# Altium PCB Even.PcbDoc (part 3 of 3)
Units mm, origin at the board's own origin, x right, y up, seen from the top; angles counter-clockwise.
Board outline 384.85 x 63.15 mm, 4 copper layers (Top Copper, Signal Layer 1, Signal Layer 2, Bottom Copper), stack 1.57 mm thick; 251 components, 190 nets, 820 pads, 278 vias.
Unrouted connection lines stored in the file: 7.
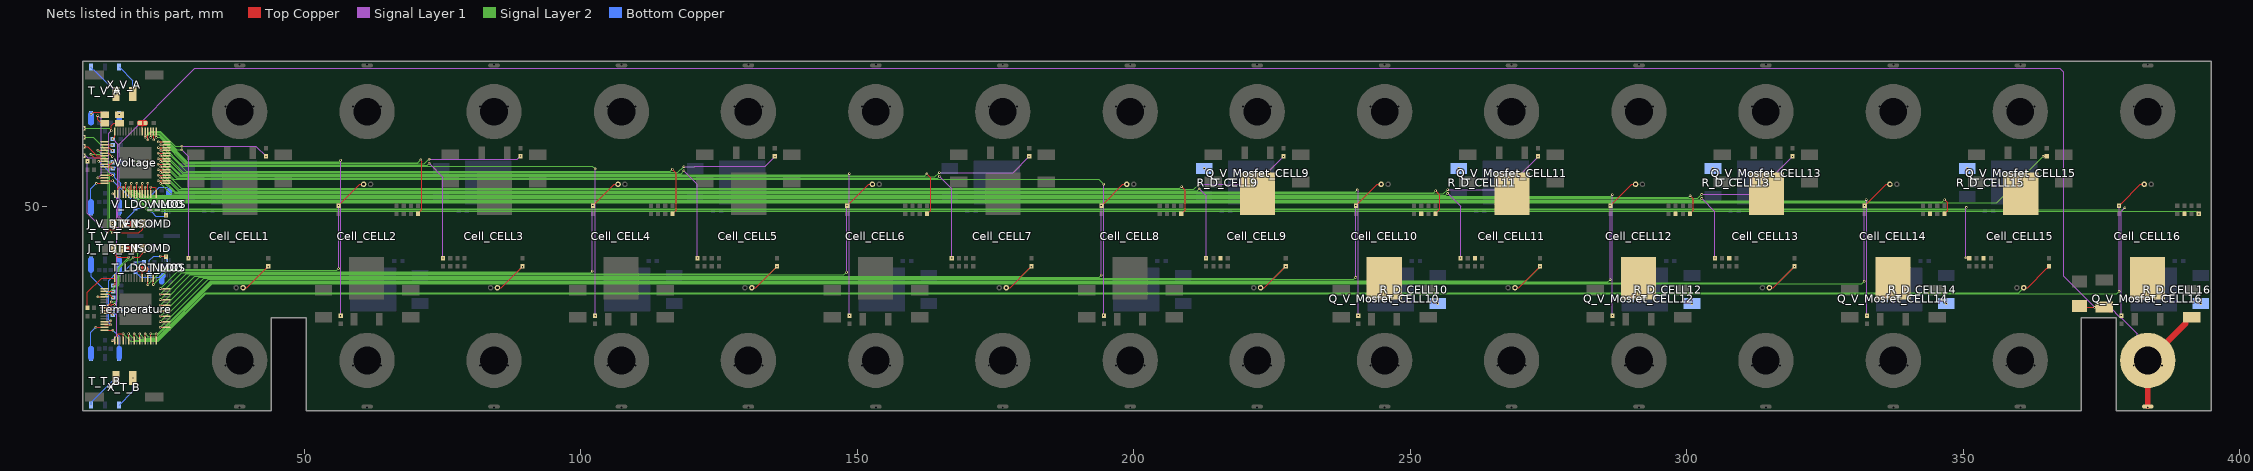
[diagram p5: the nets of this part, all layers, seen from the top]

## Via types
v1: diameter 0.45, hole 0.2, Top Copper to Bottom Copper, 268 vias
v2: diameter 0.6, hole 0.3, Top Copper to Bottom Copper, 8 vias
v3: diameter 2, hole 1.5, Top Copper to Bottom Copper, 2 vias

## Nets (pads, with @x,y where several pads share a name; then routed paths per layer and width w, separated by ;. In a path a pad name is that pad's centre, name@x,y a point inside that pad or via, vN(x,y) a via of type N, cw(c..) or ccw(c..) an arc to the next point about the centre after c; other vN are vias at no path point) (continued)
NetQ_V_Mosfet_CELL9_2: Q_V_Mosfet_CELL9.2 R_D_CELL9.2 R_V_D_LED_CELL9.1
  other v1: 212.75,56.975
NetQ_V_Mosfet_CELL10_2: Q_V_Mosfet_CELL10.2 R_D_CELL10.2 R_V_D_LED_CELL10.1
  other v1: 254.95,32.525
NetQ_V_Mosfet_CELL11_2: Q_V_Mosfet_CELL11.2 R_D_CELL11.2 R_V_D_LED_CELL11.1
  other v1: 258.75,56.975
NetQ_V_Mosfet_CELL12_2: Q_V_Mosfet_CELL12.2 R_D_CELL12.2 R_V_D_LED_CELL12.1
  other v1: 300.95,32.525
NetQ_V_Mosfet_CELL13_2: Q_V_Mosfet_CELL13.2 R_D_CELL13.2 R_V_D_LED_CELL13.1
  other v1: 304.75,56.975
NetQ_V_Mosfet_CELL14_2: Q_V_Mosfet_CELL14.2 R_D_CELL14.2 R_V_D_LED_CELL14.1
  other v1: 346.95,32.525
NetQ_V_Mosfet_CELL15_2: Q_V_Mosfet_CELL15.2 R_D_CELL15.2 R_V_D_LED_CELL15.1
  other v1: 350.75,56.975
NetQ_V_Mosfet_CELL16_2: Q_V_Mosfet_CELL16.2 R_D_CELL16.2 R_V_D_LED_CELL16.1
  other v1: 392.95,32.525
NetT_LDO_7: T_LDO.7 T_LDO_NMOS.3 T_LDO_PU.1 | length 6.5
  Top Copper w0.102: v1(24,41.1) 24.9,41.1 T_LDO_PU.1@25,41
  Bottom Copper w0.102: T_LDO_NMOS.3@22,38 22,40.325 22.775,41.1 v1(24,41.1) ; v1(25.001,41.127) 25.068,41.06 25.068,40.932 25.169,40.831 25.169,40.456 T_LDO.7@25.225,40.4
NetV_LDO_7: V_LDO.7 V_LDO_NMOS.3 V_LDO_PU.1 | length 4.6
  Top Copper w0.102: V_LDO_PU.1@25,48.5 25.026,48.474 v1(25.026,48.352)
  Bottom Copper w0.102: V_LDO_NMOS.3@22,49.5 22,49.4 22.299,49.101 22.399,49.101 23.148,48.352 v1(25.026,48.352) 24.775,48.604 V_LDO.7@24.775,49.1
POS16: Cell_CELL16.+ Cell_CELL16.+L Cell_CELL16.+O Cell_CELL16.+R D1.A F_T_CELL16.1 F_V_CELL16.2 Temperature.1 Voltage.1 | length 488.4
  Top Copper w0.102: v1(15.25,25.85) 15.413,25.85 Temperature.1@15.666,25.597 ; v1(15.35,52.375) Voltage.1@15.75,52.375 ; Temperature.1@15.75,25.875 15.75,25.681 Temperature.1@15.666,25.597 ; Temperature.1@15.806,25.456 Temperature.1@15.666,25.597 ; D1.A@371.25,31.85 375.455,31.85 F_T_CELL16.1@375.5,31.895
  Top Copper w1.016: F_T_CELL16.1@375.5,31.895 376.095,31.895 F_T_CELL16.1@376.567,31.423 ; Cell_CELL16.+O@383.375,14.008 Cell_CELL16.+@383.375,22.25 383.505,22.25 390.233,28.978 390.233,29.573 390.705,30.045 F_V_CELL16.2@391.3,30.045
  Signal Layer 1 w0.102: v1(15.25,25.85) 16.122,26.722 16.122,46.375 ; v1(15.35,52.375) 16.122,51.603 16.122,46.375 ; Cell_CELL16.+@383.375,22.25 381.481,24.144 381.481,27.092 378.6,29.973 378.419,29.973 376.566,31.825 v1(373.775,31.825) 368.053,37.547 368.053,74.487 367.443,75.098 30.248,75.098 16.528,61.378 16.528,48.209 17.633,47.104 17.633,46.883 17.125,46.375 16.122,46.375
S1: R_Gate_CELL1.2 Voltage.37 | length 25.3
  Top Copper w0.102: v1(21.25,62.575) Voltage.37@21.25,63.625
  Signal Layer 1 w0.102: v1(27.875,61) 41.25,61 v1(43.1,59.15)
  Signal Layer 2 w0.102: v1(21.25,62.575) 21.25,62.687 22.247,63.685 23.929,63.685 26.669,60.945 27.82,60.945 v1(27.875,61)
S2: R_Gate_CELL2.2 Voltage.35 | length 66.1
  Top Copper w0.102: v1(22.25,62.575) Voltage.35@22.25,63.6 ; v1(56.6,30.325) R_Gate_CELL2.2@56.6,30.35
  Signal Layer 1 w0.102: v1(56.6,30.325) 56.602,30.327 56.602,58.448 v1(56.6,58.45)
  Signal Layer 2 w0.102: v1(22.25,62.575) 22.25,62.662 22.866,63.278 23.76,63.278 28.851,58.188 56.338,58.188 v1(56.6,58.45)
S3: R_Gate_CELL3.2 Voltage.33 | length 69.5
  Top Copper w0.102: v1@23.25,62.55 v1(23.25,62.575) Voltage.33@23.25,63.6 ; R_Gate_CELL3.2@89.1,59.15 v1(89.1,59.2)
  Signal Layer 1 w0.102: v1(72.6,58.65) 88.55,58.65 v1(89.1,59.2)
  Signal Layer 2 w0.102: v1(23.25,62.575) 23.887,62.575 28.681,57.781 71.681,57.781 72.55,58.65 v1(72.6,58.65)
S4: R_Gate_CELL4.2 Voltage.31 | length 108
  Top Copper w0.102: v1(24.075,61.25) Voltage.31@25.125,61.25 ; R_Gate_CELL4.2@102.6,30.35 v1(102.625,30.325)
  Signal Layer 1 w0.102: v1(102.6,56.9) 102.625,56.875 v1(102.625,30.325)
  Signal Layer 2 w0.102: v1(24.075,61.25) 24.169,61.25 24.278,61.141 24.296,61.141 28.062,57.375 102.125,57.375 v1(102.6,56.9)
S5: R_Gate_CELL5.2 Voltage.29 | length 115
  Top Copper w0.102: v1@24,60.25 v1(24.075,60.25) Voltage.29@25.05,60.25 ; R_Gate_CELL5.2@135.1,59.15 v1(135.125,59.125)
  Signal Layer 1 w0.102: v1(118.65,57.3) 120.541,57.3 120.594,57.352 133.352,57.352 v1(135.125,59.125)
  Signal Layer 2 w0.102: v1(24.075,60.25) 24.137,60.25 28.143,56.244 117.594,56.244 v1(118.65,57.3)
S6: R_Gate_CELL6.2 Voltage.27 | length 152.8
  Top Copper w0.102: v1@24.1,59.25 Voltage.27@25.15,59.25 ; v1(148.575,30.375) R_Gate_CELL6.2@148.6,30.35
  Signal Layer 1 w0.102: v1(148.575,30.375) v1(148.575,56.025)
  Signal Layer 2 w0.102: v1(24.05,59.25) 24.162,59.25 27.575,55.838 148.341,55.838 148.528,56.025 v1(148.575,56.025)
S7: R_Gate_CELL7.2 Voltage.25 | length 160.8
  Top Copper w0.102: v1@24.15,58.25 Voltage.25@25.2,58.25
  Signal Layer 1 w0.102: v1(164.85,56.225) 178.175,56.225 v1(181.1,59.15)
  Signal Layer 2 w0.102: v1(24.05,58.25) 24.117,58.183 24.279,58.183 27.031,55.431 164.056,55.431 v1(164.85,56.225)
S8: R_Gate_CELL8.2 Voltage.23 | length 196.6
  Top Copper w0.102: v1(24.05,57.25) Voltage.23@25.075,57.25 ; v1(194.575,30.425) 194.6,30.4 R_Gate_CELL8.2@194.6,30.35
  Signal Layer 1 w0.102: v1(194.575,30.425) v1(194.575,54.125)
  Signal Layer 2 w0.102: v1(24.05,57.25) 24.144,57.25 24.247,57.147 24.278,57.147 26.4,55.025 193.675,55.025 v1(194.575,54.125)
S9: R_Gate_CELL9.2 Voltage.21 | length 207.9
  Top Copper w0.102: v1@24.075,56.25 Voltage.21@25.125,56.25
  Signal Layer 1 w0.102: v1(211.825,54.125) 222.075,54.125 v1(227.1,59.15)
  Signal Layer 2 w0.102: v1(24.05,56.25) 24.117,56.183 24.267,56.183 27.287,53.163 210.863,53.163 v1(211.825,54.125)
S10: R_Gate_CELL10.2 Voltage.19 | length 241.4
  Top Copper w0.102: v1@24.1,55.25 Voltage.19@25.15,55.25
  Signal Layer 1 w0.102: v1(240.45,53.1) 240.45,53.006 240.6,52.856 v1(240.6,30.35)
  Signal Layer 2 w0.102: v1(24.05,55.25) 24.162,55.25 26.655,52.757 240.107,52.757 v1(240.45,53.1)
S11: R_Gate_CELL11.2 Voltage.17 | length 254
  Top Copper w0.102: v1@23.95,54.25 Voltage.17@25.125,54.25 ; R_Gate_CELL11.2@273.1,59.15 273.1,59.125 v1(273.125,59.1)
  Signal Layer 1 w0.102: v1(256.775,53.125) 267.15,53.125 v1(273.125,59.1)
  Signal Layer 2 w0.102: v1@23.95,54.25 25.849,52.351 256.001,52.351 v1(256.775,53.125)
  other v1: 24.05,54.25
S12: R_Gate_CELL12.2 Voltage.13 | length 290.9
  Top Copper w0.102: Voltage.13@21.75,52.375 v1(21.75,54.25) ; v1(286.575,30.35) R_Gate_CELL12.2@286.6,30.35
  Signal Layer 1 w0.102: v1(286.575,30.35) v1(286.575,52.25)
  Signal Layer 2 w0.102: v1(21.75,54.25) 21.75,52.194 22,51.944 286.269,51.944 v1(286.575,52.25)
S13: R_Gate_CELL13.2 Voltage.11 | length 305.6
  Top Copper w0.102: Voltage.11@20.75,52.375 v1(20.75,54.25) ; v1(319.1,59.1) R_Gate_CELL13.2@319.1,59.15
  Signal Layer 1 w0.102: v1(302.725,52.275) 312.275,52.275 v1(319.1,59.1)
  Signal Layer 2 w0.102: v1(20.75,54.25) 20.75,52.352 21.564,51.538 301.988,51.538 v1(302.725,52.275)
S14: R_Gate_CELL14.2 Voltage.9 | length 337.9
  Top Copper w0.102: Voltage.9@19.75,52.375 v1(19.75,54.25) ; R_Gate_CELL14.2@332.6,30.35 v1(332.6,30.375)
  Signal Layer 1 w0.102: v1(332.475,51.325) 332.475,51.231 332.6,51.106 v1(332.6,30.375)
  Signal Layer 2 w0.102: v1(19.75,54.25) 19.75,52.777 21.396,51.131 332.241,51.131 332.435,51.325 v1(332.475,51.325)
S15: R_Gate_CELL15.2 Voltage.7 | length 353.8
  Top Copper w0.102: Voltage.7@18.75,52.375 v1(18.75,54.25) ; v1(364.45,59.15) R_Gate_CELL15.2@365.1,59.15 R_Gate_CELL15.2@365.1,59.125
  Signal Layer 2 w0.102: v1(18.75,54.25) 18.75,53.203 21.228,50.725 356.025,50.725 v1(364.45,59.15)
S16: R_Gate_CELL16.2 Voltage.5 | length 385.8
  Top Copper w0.102: Voltage.5@17.75,52.375 v1(17.75,54.25)
  Signal Layer 1 w0.102: v1(378.575,30.35) 378.577,30.352 378.577,49.202 v1(379.25,49.875)
  Signal Layer 2 w0.102: v1(17.75,54.25) 17.75,53.484 21.78,49.454 378.829,49.454 v1(379.25,49.875)
T1: Cell_CELL1.T+ R_T_CELL1.1 Temperature.36 | length 30.4
  Top Copper w0.102: v1(21.75,35.975) Temperature.36@21.75,37.175 ; Cell_CELL1.T+@38.95,35.4 39.65,35.4 43.151,38.901 43.176,38.901 43.5,39.225 R_T_CELL1.1@43.5,39.25
  Signal Layer 2 w0.102: v1(21.75,35.975) 24.5,38.725 43.025,38.725 v1(43.5,39.2)
T2: Cell_CELL2.T+ R_T_CELL2.1 Temperature.34 | length 53.4
  Top Copper w0.102: v1(22.75,35.975) Temperature.34@22.75,37.175 ; v1(56.2,50.25) 56.2,50.275 56.524,50.599 56.549,50.599 60.05,54.1 Cell_CELL2.T+@60.75,54.1
  Signal Layer 1 w0.102: v1(56.2,50.25) 56.225,50.225 v1(56.225,38.875)
  Signal Layer 2 w0.102: v1(22.75,35.975) 25.297,38.522 55.872,38.522 v1(56.225,38.875)
T3: Cell_CELL3.T+ R_T_CELL3.1 Temperature.32 | length 74.4
  Top Copper w0.102: v1(23.975,35.25) Temperature.32@25.175,35.25 ; Cell_CELL3.T+@84.95,35.4 85.65,35.4 89.151,38.901 89.176,38.901 v1(89.475,39.2)
  Signal Layer 2 w0.102: v1(23.975,35.25) 27.044,38.319 88.594,38.319 v1(89.475,39.2)
T4: Cell_CELL4.T+ R_T_CELL4.1 Temperature.30 | length 99.1
  Top Copper w0.102: v1(23.975,34.25) Temperature.30@25.175,34.25 ; R_T_CELL4.1@102.2,50.275 102.524,50.599 102.549,50.599 106.05,54.1 Cell_CELL4.T+@106.75,54.1
  Signal Layer 1 w0.102: v1(102.125,38.4) 102.125,50.2 v1(102.175,50.25)
  Signal Layer 2 w0.102: v1(23.975,34.25) 27.84,38.115 101.84,38.115 v1(102.125,38.4)
T5: Cell_CELL5.T+ R_T_CELL5.1 Temperature.28 | length 121.4
  Top Copper w0.102: v1(23.975,33.25) Temperature.28@25.175,33.25 ; Cell_CELL5.T+@130.95,35.4 131.65,35.4 135.151,38.901 135.176,38.901 R_T_CELL5.1@135.5,39.225
  Signal Layer 2 w0.102: v1(23.975,33.25) 28.637,37.912 134.187,37.912 v1(135.525,39.25)
T6: Cell_CELL6.T+ R_T_CELL6.1 Temperature.26 | length 146
  Top Copper w0.102: v1(23.975,32.25) Temperature.26@25.175,32.25 ; R_T_CELL6.1@148.2,50.275 148.524,50.599 148.549,50.599 152.05,54.1 Cell_CELL6.T+@152.75,54.1
  Signal Layer 1 w0.102: v1(148.1,38.2) 148.15,38.25 v1(148.15,50.25)
  Signal Layer 2 w0.102: v1(23.975,32.25) 29.434,37.709 147.609,37.709 v1(148.1,38.2)
T7: Cell_CELL7.T+ R_T_CELL7.1 Temperature.24 | length 168.1
  Top Copper w0.102: v1(23.975,31.25) Temperature.24@25.175,31.25 ; Cell_CELL7.T+@176.95,35.4 177.65,35.4 181.151,38.901 181.176,38.901 v1(181.475,39.2)
  Signal Layer 2 w0.102: v1(23.975,31.25) 30.231,37.506 179.781,37.506 v1(181.475,39.2)
T8: Cell_CELL8.T+ R_T_CELL8.1 Temperature.22 | length 193.2
  Top Copper w0.102: v1(23.975,30.25) Temperature.22@25.125,30.25 Temperature.22@25.175,30.25 ; R_T_CELL8.1@194.2,50.275 194.524,50.599 194.549,50.599 198.05,54.1 Cell_CELL8.T+@198.75,54.1
  Signal Layer 1 w0.102: v1(194.125,37.675) v1(194.125,50.3)
  Signal Layer 2 w0.102: v1(23.975,30.25) 31.028,37.303 193.753,37.303 v1(194.125,37.675)
T9: Cell_CELL9.T+ R_T_CELL9.1 Temperature.20 | length 215
  Top Copper w0.102: v1(23.975,29.275) Temperature.20@25.175,29.275 ; Cell_CELL9.T+@222.95,35.4 223.65,35.4 227.151,38.901 227.176,38.901 227.5,39.225 v1(227.5,39.25)
  Signal Layer 2 w0.102: v1(23.975,29.275) 31.799,37.099 225.349,37.099 v1(227.5,39.25)
T10: Cell_CELL10.T+ R_T_CELL10.1 Temperature.18 | length 240.2
  Top Copper w0.102: v1(23.975,28.25) Temperature.18@25.175,28.25 ; R_T_CELL10.1@240.2,50.275 240.524,50.599 240.549,50.599 244.05,54.1 Cell_CELL10.T+@244.75,54.1
  Signal Layer 1 w0.102: v1(240.15,37.275) v1(240.15,50.25)
  Signal Layer 2 w0.102: v1(23.975,28.25) 32.621,36.896 239.771,36.896 v1(240.15,37.275)
T11: Cell_CELL11.T+ R_T_CELL11.1 Temperature.14 Temperature.16 | length 264.8
  Top Copper w0.102: Temperature.14@22.25,25.875 v1(22.25,27.075) ; Temperature.16@23.25,25.85 v1(23.25,27.05) ; Cell_CELL11.T+@268.95,35.4 269.65,35.4 273.151,38.901 273.176,38.901 v1(273.5,39.225)
  Signal Layer 2 w0.102: v1(22.25,27.075) 23.225,27.075 v1(23.25,27.05) 23.317,27.117 23.492,27.117 33.068,36.693 270.968,36.693 v1(273.5,39.225)
T12: Cell_CELL12.T+ R_T_CELL12.1 Temperature.12 | length 290.1
  Top Copper w0.102: Temperature.12@21.25,25.85 v1(21.25,27.05) ; R_T_CELL12.1@286.2,50.275 286.524,50.599 286.549,50.599 290.05,54.1 Cell_CELL12.T+@290.75,54.1
  Signal Layer 1 w0.102: v1(286.125,50.25) 286.15,50.225 v1(286.15,36.875)
  Signal Layer 2 w0.102: v1(21.25,27.05) 21.8,26.5 23.25,26.5 33.24,36.49 285.765,36.49 v1(286.15,36.875)
T13: Cell_CELL13.T+ R_T_CELL13.1 Temperature.10 | length 312.3
  Top Copper w0.102: Temperature.10@20.25,25.85 v1(20.25,27.05) ; Cell_CELL13.T+@314.95,35.4 315.65,35.4 319.151,38.901 319.176,38.901 319.5,39.225 v1(319.5,39.25)
  Signal Layer 2 w0.102: v1(20.25,27.05) 21.003,26.297 23.334,26.297 33.324,36.287 316.537,36.287 v1(319.5,39.25)
T14: Cell_CELL14.T+ R_T_CELL14.1 Temperature.8 | length 338.6
  Top Copper w0.102: Temperature.8@19.25,25.85 v1(19.25,27.05) ; R_T_CELL14.1@332.2,50.275 332.524,50.599 332.549,50.599 336.05,54.1 Cell_CELL14.T+@336.75,54.1
  Signal Layer 1 w0.102: v1(332.1,36.575) 332.1,50.225 v1(332.125,50.25)
  Signal Layer 2 w0.102: v1(19.25,27.05) 20.206,26.094 23.418,26.094 33.408,36.083 331.608,36.083 v1(332.1,36.575)
T15: Cell_CELL15.T+ R_T_CELL15.1 Temperature.6 | length 354.5
  Top Copper w0.102: Temperature.6@18.25,25.875 v1(18.25,27.075) ; Cell_CELL15.T+@360.95,35.4 361.65,35.4 365.151,38.901 365.176,38.901 365.5,39.225 R_T_CELL15.1@365.5,39.25
  Signal Layer 2 w0.102: v1(18.25,27.075) 19.435,25.89 23.503,25.89 32.135,34.523 360.073,34.523 Cell_CELL15.T+@360.95,35.4
T16: Cell_CELL16.T+ R_T_CELL16.1 Temperature.2 Temperature.4 | length 390.2
  Top Copper w0.102: Temperature.2@16.25,25.875 16.25,26.875 16.45,27.075 v1(17.25,27.075) Temperature.4@17.25,25.875 ; R_T_CELL16.1@378.2,50.275 378.524,50.599 378.549,50.599 382.05,54.1 Cell_CELL16.T+@382.75,54.1
  Signal Layer 1 w0.102: v1(378.2,34.75) v1(378.2,50.225)
  Signal Layer 2 w0.102: v1(17.25,27.075) 18.638,25.687 23.587,25.687 32.219,34.319 377.769,34.319 v1(378.2,34.75)
T_C0: C_T0.2 R_T0.2 Temperature.38 | length 2.3
  Top Copper w0.102: Temperature.38@20.75,37.125 20.75,38.4
  Top Copper w1.016: C_T0.2@20.225,38.775 R_T0.2@21.3,38.775
T_DRIVE: Temperature.49
T_DTEN: J_T_DTEN.2 Temperature.52 | length 15.3
  Top Copper w0.102: v1(12.7,33.75) Temperature.52@13.875,33.75 ; J_T_DTEN.2@15.524,42.5 15.593,42.431 15.593,41.607 16.25,40.95 v1(18.275,40.95)
  Signal Layer 2 w0.102: v1(12.7,33.75) 13.894,33.75 15.273,35.128 15.384,35.128 16.336,36.081 16.336,39.011 v1(18.275,40.95)
T_IBIAS: R_T_BIAS.2 Temperature.57 | length 1.6
  Top Copper w0.102: Temperature.57@13.875,31.25 15,31.25 v1(15.35,31.6)
T_ICMP: R_T_BIAS.1 R_T_COMP.2 Temperature.58 | length 3.5
  Top Copper w0.102: Temperature.58@13.875,30.75 15.1,30.75 v1(15.35,30.5)
  Bottom Copper w0.102: v1(15.35,30.5) 15.443,30.593 15.843,30.593 16.501,31.251 16.501,31.276 16.825,31.6 R_T_BIAS.1@16.85,31.6
T_IMA: R_T_IMA.2 T_V_T.4 Temperature.61 | length 13.5
  Top Copper w0.102: Temperature.61@13.875,29.25 14.999,29.25 15.051,29.301 v1(15.051,29.401)
  Bottom Copper w0.102: v1(15.051,29.401) 15.051,29.379 14.974,29.301 14.65,29.625 14.65,36.7 16.201,38.251 16.201,38.276 16.525,38.6 R_T_IMA.2@16.55,38.6
  Bottom Copper w1.016: T_V_T.4@16.54,40.45 16.55,40.44 R_T_IMA.2@16.55,38.6
T_IMB: R_T_IMB.2 T_T_B.4 Temperature.63 | length 7.2
  Top Copper w0.102: v1(12.35,28.25) Temperature.63@13.875,28.25
  Bottom Copper w0.102: R_T_IMB.2@11.45,24.6 11.45,27.35 v1(12.35,28.25)
  Bottom Copper w1.016: R_T_IMB.2@11.45,24.375 11.45,22.785 T_T_B.4@11.46,22.775
T_IMB_ISO: T_T_B.3 X_T_B.P$2 | length 6.9
  Bottom Copper w0.102: T_T_B.3@11.46,14.175 11.46,14.66 v1(15.975,19.175)
T_IPA: R_T_IPA.2 T_V_T.6 Temperature.62 | length 14.4
  Top Copper w0.102: Temperature.62@13.875,28.75 13.95,28.675 v1(15.025,28.675)
  Bottom Copper w0.102: R_T_IPA.2@11.45,38.6 11.46,38.59 11.46,37.4 14.396,34.464 14.396,29.304 v1(15.025,28.675)
  Bottom Copper w1.016: R_T_IPA.2@11.45,38.6 11.45,40.44 T_V_T.6@11.46,40.45
T_IPB: R_T_IPB.2 T_T_B.6 Temperature.64 | length 6.6
  Top Copper w0.102: Temperature.64@13.875,27.75 v1(15.425,27.75)
  Bottom Copper w0.102: v1(15.425,27.75) 16.55,26.625 16.55,24.775
  Bottom Copper w1.016: T_T_B.6@16.54,22.775 16.55,22.785 R_T_IPB.2@16.55,24.375
T_IPB_ISO: T_T_B.1 X_T_B.P$1 | length 6
  Bottom Copper w0.102: T_T_B.1@16.54,14.175 19.025,16.66 v1(19.025,19.1)
T_ISOMD: J_T_ISOMD.2 Temperature.55 | length 14.9
  Top Copper w0.102: Temperature.55@13.875,32.25 14.625,32.25 15.2,32.825 15.198,32.827 v1(15.151,32.827) ; v1(19.1,40.95) 20.15,40.95 20.8,41.6 J_T_ISOMD.2@20.8,42.5
  Signal Layer 2 w0.102: v1(15.151,32.827) 15.773,32.827 15.775,32.825 16.2,33.25 16.2,35.585 16.59,35.975 16.59,38.906 18.159,40.475 18.625,40.475 v1(19.1,40.95)
T_VREF1: C_T_VREF1.2 Temperature.51 | length 1.8
  Top Copper w0.102: Temperature.51@13.875,34.25 14.75,34.25 v1(15.4,33.6)
T_VREF2: C_T_VREF2.2 Temperature.50 | length 1.6
  Top Copper w0.102: Temperature.50@13.875,34.75 15.4,34.75 v1(15.45,34.7)
T_VREG: C_T_VREG.2 CAP-T_VREG.2 J_T_DTEN.1 J_T_ISOMD.1 LED_T_ON.A T_LDO.3 T_LDO.4 T_LDO_NMOS_PU.1 Temperature.48 | length 33.3
  Top Copper w0.102: LED_T_ON.A@10.8,31.75 10.8,34.55 13.375,37.125 Temperature.48@15.75,37.125 15.75,37.05 15.8,37 15.8,36.15 v1(15.45,35.8)
  Top Copper w1.016: v1(17.048,42.5) J_T_ISOMD.1@19.276,42.5
  Signal Layer 2 w0.102: v1(15.45,35.8) 16.082,36.432 16.082,41.534 v1(17.048,42.5) 18.925,42.5 19.875,41.55 19.875,39.751 19.935,39.691 20.237,39.691 v1(20.251,39.677)
  Bottom Copper w0.102: v1(20.251,39.677) 20.251,39.026 19.5,38.275 T_LDO_NMOS_PU.1@19.5,38.25 19.5,38.225 19.824,37.901 19.849,37.901 20.425,37.325 T_LDO.4@24.25,37.325
  Bottom Copper w1.016: CAP-T_VREG.2@24.25,36.5 24.25,37.325 T_LDO.4@24.442,37.517
T_WDT: T_LDO_NMOS.1 T_LDO_NMOS_PU.2 Temperature.56 | length 13.2
  Top Copper w0.102: Temperature.56@13.875,31.75 14.639,31.75 15.264,32.375 v1(15.725,32.375)
  Bottom Copper w0.102: v1(15.725,32.375) 15.725,32.526 16.201,33.002 16.201,37.176 18.775,39.75 T_LDO_NMOS_PU.2@19.5,39.75 19.5,39.775 19.824,40.099 20.071,40.099 20.075,40.103 20.947,40.103 T_LDO_NMOS.1@21.05,40
V1: R_Input_CELL1.2 Voltage.36 | length 30.1
  Top Copper w0.102: v1(21.75,62.125) Voltage.36@21.75,63.625
  Signal Layer 1 w0.102: v1(27.875,60.325) 29.127,59.073 29.127,56.819 29.1,56.791 v1(29.1,40.75)
  Signal Layer 2 w0.102: v1(21.75,62.125) 21.75,62.9 22.331,63.481 23.844,63.481 27,60.325 v1(27.875,60.325)
V2: R_Input_CELL2.2 Voltage.34 | length 62.7
  Top Copper w0.102: v1@22.775,62.075 v1(22.775,62.125) Voltage.34@22.775,63.125 ; R_Input_CELL2.2@70.6,48.75 70.924,49.074 70.924,49.124 71.275,49.475 71.275,58.291 71.075,58.491 v1(71.075,58.525)
  Signal Layer 2 w0.102: v1(22.775,62.125) 22.775,62.9 22.95,63.075 23.676,63.075 28.767,57.985 70.535,57.985 v1(71.075,58.525)
V3: R_Input_CELL3.2 Voltage.32 | length 70.1
  Top Copper w0.102: v1@23.575,61.75 Voltage.32@24.625,61.75
  Signal Layer 1 w0.102: v1(72.6,57.9) 75.1,55.4 v1(75.1,40.75)
  Signal Layer 2 w0.102: v1(23.625,61.75) 24.425,61.75 28.597,57.578 72.278,57.578 v1(72.6,57.9)
V4: R_Input_CELL4.2 Voltage.30 | length 104.7
  Top Copper w0.102: v1@23.575,60.725 v1(23.625,60.725) Voltage.30@24.625,60.725 ; v1(116.575,56.825) 117.3,56.1 117.3,49.35 117.044,49.094 116.924,49.094 116.6,48.769 R_Input_CELL4.2@116.6,48.75
  Signal Layer 2 w0.102: v1(23.625,60.725) 24.425,60.725 28.703,56.447 116.197,56.447 v1(116.575,56.825)
V5: R_Input_CELL5.2 Voltage.28 | length 114.7
  Top Copper w0.102: v1@23.525,59.75 v1(23.6,59.75) Voltage.28@24.575,59.75
  Signal Layer 1 w0.102: v1(118.65,56.55) 121.1,54.1 v1(121.1,40.75)
  Signal Layer 2 w0.102: v1(23.6,59.75) 24.35,59.75 28.059,56.041 118.141,56.041 v1(118.65,56.55)
V6: R_Input_CELL6.2 Voltage.26 | length 149.3
  Top Copper w0.102: v1@23.575,58.725 v1(23.6,58.725) Voltage.26@24.625,58.725 ; R_Input_CELL6.2@162.6,48.75 162.6,48.775 162.924,49.099 163.024,49.099 163.275,49.35 163.275,55.3 v1(162.6,55.975)
  Signal Layer 2 w0.102: v1(23.6,58.725) 24.4,58.725 27.49,55.635 162.26,55.635 v1(162.6,55.975)
V7: R_Input_CELL7.2 Voltage.24 | length 159.2
  Top Copper w0.102: v1@23.625,57.75 Voltage.24@24.675,57.75
  Signal Layer 1 w0.102: v1(164.85,55.55) 167.1,53.3 v1(167.1,40.8)
  Signal Layer 2 w0.102: v1(23.6,57.75) 24.425,57.75 26.947,55.228 164.528,55.228 v1(164.85,55.55)
V8: R_Input_CELL8.2 Voltage.22 | length 193.2
  Top Copper w0.102: v1(23.6,56.75) Voltage.22@24.65,56.75 ; R_Input_CELL8.2@208.6,48.75 208.6,48.775 208.924,49.099 208.974,49.099 209.3,49.425 209.3,53.05 v1(208.675,53.675)
  Signal Layer 2 w0.102: v1(23.6,56.75) 24.375,56.75 27.758,53.367 208.367,53.367 v1(208.675,53.675)
V9: R_Input_CELL9.2 Voltage.20 | length 203.6
  Top Copper w0.102: v1(23.6,55.775) Voltage.20@24.65,55.775
  Signal Layer 1 w0.102: v1(211.825,53.275) 213.1,52 v1(213.1,40.777)
  Signal Layer 2 w0.102: v1(23.6,55.775) 24.375,55.775 27.19,52.96 211.51,52.96 v1(211.825,53.275)
V10: R_Input_CELL10.2 Voltage.18 | length 237.9
  Top Copper w0.102: v1@23.625,54.75 Voltage.18@24.675,54.75 ; R_Input_CELL10.2@254.6,48.75 254.6,48.775 254.924,49.099 255.375,49.55 255.375,52.15 v1(254.6,52.925)
  Signal Layer 2 w0.102: v1(23.6,54.75) 24.375,54.75 26.571,52.554 254.229,52.554 v1(254.6,52.925)
V11: R_Input_CELL11.2 Voltage.14 Voltage.16 | length 252.1
  Top Copper w0.102: Voltage.14@22.25,52.375 v1(22.25,53.6) 23.1,53.6 23.25,53.45 Voltage.16@23.25,52.375
  Signal Layer 1 w0.102: v1(256.775,52.45) 259.1,50.125 v1(259.1,40.75)
  Signal Layer 2 w0.102: v1(22.25,53.6) 22.25,52.207 22.31,52.147 256.472,52.147 v1(256.775,52.45)
V12: R_Input_CELL12.2 Voltage.12 | length 286.2
  Top Copper w0.102: v1(21.225,53.6) 21.225,52.4 Voltage.12@21.25,52.375 ; R_Input_CELL12.2@300.6,48.75 300.6,48.775 300.924,49.099 300.949,49.099 301.2,49.35 301.2,51.475 v1(300.625,52.05)
  Signal Layer 2 w0.102: v1(21.225,53.6) 21.225,52.164 21.648,51.741 300.316,51.741 v1(300.625,52.05)
V13: R_Input_CELL13.2 Voltage.10 | length 297.1
  Top Copper w0.102: Voltage.10@20.25,52.375 v1@20.25,53.625
  Signal Layer 1 w0.102: v1(302.725,51.55) 305.1,49.175 v1(305.1,40.777)
  Signal Layer 2 w0.102: v1(20.25,53.6) 20.25,52.565 21.48,51.335 302.51,51.335 v1(302.725,51.55)
V14: R_Input_CELL14.2 Voltage.8 | length 333.2
  Top Copper w0.102: Voltage.8@19.25,52.375 v1(19.25,53.6) ; R_Input_CELL14.2@346.6,48.75 346.6,48.775 346.924,49.099 346.949,49.099 347.175,49.325 347.175,49.766 ; v1(346.625,51.3) 347.176,50.749 347.176,49.767
  Signal Layer 2 w0.102: v1(19.25,53.6) 19.25,52.99 21.312,50.928 346.253,50.928 v1(346.625,51.3)
V15: R_Input_CELL15.2 Voltage.6 | length 345.2
  Top Copper w0.102: Voltage.6@18.25,52.375 18.275,52.4 v1(18.275,53.6) ; v1(350.492,40.777) 351.098,40.777 351.1,40.775 R_Input_CELL15.2@351.1,40.75
  Signal Layer 1 w0.102: v1(350.492,40.777) 350.492,49.842 v1(350.575,49.925)
  Signal Layer 2 w0.102: v1(18.275,53.6) 18.275,53.318 21.885,49.708 350.358,49.708 v1(350.575,49.925)
V16: R_Input_CELL16.2 Voltage.2 Voltage.4 | length 380.7
  Top Copper w0.102: Voltage.2@16.25,52.375 16.25,53.325 16.55,53.625 17.25,53.625 Voltage.4@17.25,52.375 ; v1(392.6,48.725) R_Input_CELL16.2@392.6,48.75
  Signal Layer 2 w0.102: v1@17.25,53.625 21.675,49.2 392.125,49.2 v1(392.6,48.725)
  other v1: 17.25,53.6
V_C0: C_V0.2 R_V0.2 Voltage.38 | length 2
  Top Copper w0.102: Voltage.38@20.75,63.625 20.75,64.65
  Top Copper w1.016: C_V0.2@20.25,65.175 R_V0.2@21.275,65.175
V_CSB: J_V_IMA.2 TP_CSB.1 Voltage.61 | length 17.8
  Top Copper w0.102: Voltage.61@13.875,55.75 15.325,55.75 v1(15.35,55.725) ; v1(15.15,63.775) 15.15,64.725 15.563,65.138 J_V_IMA.2@16.575,65.138 ; J_V_IMA.2@16.54,64.64 J_V_IMA.2@16.54,64.963
  Signal Layer 1 w0.102: v1(15.15,63.775) 14.7,63.325 14.7,56.375 v1(15.35,55.725)
  Signal Layer 2 w0.102: TP_CSB.1@10.34,64.2 14.725,64.2 v1(15.15,63.775)
V_DRIVE: Voltage.49
V_DTEN: J_V_DTEN.2 Voltage.52 | length 15.5
  Top Copper w0.102: v1(12.7,60.25) Voltage.52@13.875,60.25
  Signal Layer 2 w0.102: v1(12.7,60.25) 14.85,58.1 14.85,47.475 v1(15.325,47)
V_IBIAS: R_V_BIAS.2 Voltage.57 | length 1.6
  Top Copper w0.102: Voltage.57@13.875,57.75 15,57.75 v1(15.35,58.1)
V_ICMP: R_V_BIAS.1 R_V_COMP.2 Voltage.58 | length 3.5
  Top Copper w0.102: Voltage.58@13.875,57.25 15.15,57.25 v1(15.4,57)
  Bottom Copper w0.102: v1(15.4,57) 15.75,57 16.501,57.751 16.501,57.776 16.825,58.1 R_V_BIAS.1@16.85,58.1
V_IMA: J_V_IMA.1 R_V_IMA.2 T_V_A.4 | length 1.5
  Bottom Copper w1.016: T_V_A.4@16.54,66.725 v1(16.55,66.715) R_V_IMA.2@16.55,65.225
V_IMA_ISO: T_V_A.3 X_V_A.P$2 | length 4.8
  Bottom Copper w0.102: T_V_A.3@16.54,75.325 19,72.865 v1(19,71.55)
V_IMB: R_V_IMB.2 T_V_T.3 Voltage.63 | length 7.7
  Top Copper w0.102: Voltage.63@13.875,54.75 v1(15.35,54.75)
  Bottom Copper w0.102: v1(15.35,54.75) 16.55,53.55 R_V_IMB.2@16.55,50.9
  Bottom Copper w1.016: T_V_T.3@16.54,49.05 16.55,49.06 R_V_IMB.2@16.55,50.9
V_IPA: J_V_IPA.1 R_V_IPA.2 T_V_A.6 | length 4.4
  Top Copper w0.102: v1(11.46,66.725) 11.835,67.1 13.178,67.1 13.273,67.195 13.806,66.662 J_V_IPA.1@13.95,66.662
  Bottom Copper w1.016: R_V_IPA.2@11.45,65.225 11.45,66.715 v1(11.46,66.725)
V_IPA_ISO: T_V_A.1 X_V_A.P$1 | length 6.9
  Bottom Copper w0.102: T_V_A.1@11.46,75.325 11.46,75.181 11.789,74.852 11.933,74.852 16,70.785 v1(16,70.42)
V_IPB: R_V_IPB.2 T_V_T.1 Voltage.64 | length 7.1
  Top Copper w0.102: v1(12.425,54.25) Voltage.64@13.875,54.25
  Bottom Copper w0.102: R_V_IPB.2@11.45,50.9 11.45,53.275 v1(12.425,54.25)
  Bottom Copper w1.016: R_V_IPB.2@11.45,50.9 11.45,49.06 T_V_T.1@11.46,49.05
V_ISOMD: J_V_ISOMD.2 Voltage.55 | length 26.3
  Top Copper w0.102: v1(11.425,59.5) 12.037,58.887 13.087,58.887 13.225,58.75 Voltage.55@13.875,58.75 ; v1(15.325,45.325) 20.126,45.325 20.8,45.999 J_V_ISOMD.2@20.8,47
  Signal Layer 2 w0.102: v1(11.425,59.5) 13.041,59.5 14.596,57.945 14.596,46.054 v1(15.325,45.325)
V_SCK: J_V_IPA.2 TP_SCK.1 Voltage.62 | length 18.9
  Top Copper w0.102: v1(12.675,66.525) 12.675,65.75 13.287,65.138 J_V_IPA.2@13.95,65.138 ; v1(12.7,55.275) 12.725,55.25 Voltage.62@13.875,55.25
  Signal Layer 1 w0.102: TP_SCK.1@10,59.3 10.518,59.3 10.875,58.942 13.258,58.942 13.275,58.925 ; v1(12.675,66.525) 13.275,65.925 13.275,58.925 ; v1(12.7,55.275) 13.275,55.85 13.275,58.925
  Signal Layer 2 w0.102: v1@12.608,66.333 12.608,66.458 v1(12.675,66.525)
V_SDI: TP_SDI.1 Voltage.53 | length 8.1
  Top Copper w0.102: Voltage.53@13.875,59.75 13.898,59.727 14.698,59.727 v1(15.325,59.1)
  Signal Layer 2 w0.102: TP_SDI.1@10.376,62.6 11.825,62.6 v1(15.325,59.1)
V_SDO: TP_SDO.1 Voltage.54 | length 4.2
  Top Copper w0.102: TP_SDO.1@10.376,61 10.508,60.868 10.857,60.868 12.475,59.25 Voltage.54@13.875,59.25
V_VREF1: C_V_VREF1.2 Voltage.51 | length 1.7
  Top Copper w0.102: Voltage.51@13.875,60.75 14.759,60.75 v1(15.35,60.159)
V_VREF2: C_V_VREF2.2 Voltage.50 | length 1.4
  Top Copper w0.102: Voltage.50@13.875,61.25 15.25,61.25 v1(15.3,61.2)
V_VREG: C_V_VREG.2 CAP-V_VREG.2 J_V_DTEN.1 J_V_ISOMD.1 LED_V_ON.A V_LDO.3 V_LDO.4 V_LDO_NMOS_PU.1 Voltage.48 | length 51.3
  Top Copper w0.102: v1(10.8,58.25) LED_V_ON.A@10.95,58.4 ; v1(14.35,45.325) 14.875,45.85 16.2,45.85 17.048,46.698 J_V_DTEN.1@17.048,47 ; v1(15.35,62.3) 15.75,62.7 Voltage.48@15.75,63.625
  Top Copper w1.016: J_V_DTEN.1@17.075,47 J_V_ISOMD.1@19.276,47
  Signal Layer 1 w0.102: v1(10.8,58.25) 10.8,48.875 v1(14.35,45.325) ; v1@15.35,62.266 v1(15.35,62.3) 16.325,61.325 16.325,48.125 17.075,47.375 v1(17.075,47.075)
  Bottom Copper w0.102: v1(17.075,47.075) 19.257,49.257 19.257,49.507 V_LDO_NMOS_PU.1@19.5,49.75 20.625,49.75 21.95,51.075 21.95,51.759 23.767,53.576 25.174,53.576 25.401,53.349 25.401,53.324 25.725,53 CAP-V_VREG.2@25.75,53 ; V_LDO.3@25.225,51.9 V_LDO.4@25.675,51.9
  Bottom Copper w1.016: V_LDO.4@25.558,52 CAP-V_VREG.2@25.558,52.808
V_WDT: V_LDO_NMOS.1 V_LDO_NMOS_PU.2 Voltage.56 | length 13.1
  Top Copper w0.102: v1(12.825,58.25) Voltage.56@13.875,58.25
  Bottom Copper w0.102: v1(12.825,58.25) 14.924,56.151 15.526,56.151 15.776,55.901 15.776,55.299 16.824,54.251 16.824,53.376 18.95,51.25 V_LDO_NMOS_PU.2@19.5,51.25 19.75,51.5 V_LDO_NMOS.1@21.05,51.5
pads on no net: T_LDO.1 T_LDO.2 T_T_B.2 T_T_B.5 T_V_A.2 T_V_A.5 T_V_T.2 T_V_T.5 Temperature.3 Temperature.5 Temperature.7 Temperature.9 Temperature.11 Temperature.13 Temperature.15 Temperature.17 Temperature.19 Temperature.21 Temperature.23 Temperature.25 Temperature.27 Temperature.29 Temperature.31 Temperature.33 Temperature.35 Temperature.37 Temperature.39 Temperature.40 Temperature.41 Temperature.42 Temperature.43 Temperature.44 Temperature.45 Temperature.46 Temperature.47 Temperature.53 Temperature.54 V_LDO.1 V_LDO.2 Voltage.3 Voltage.15 Voltage.39 Voltage.40 Voltage.41 Voltage.42 Voltage.43 Voltage.44 Voltage.45 Voltage.46 Voltage.47 X_T_B.TAB1 X_T_B.TAB2 X_V_A.TAB1 X_V_A.TAB2

## Polygon pours and split planes (outlines as drawn)
NEG1 on Bottom Copper "Bottom Copper-NEG1" (solid, remove dead copper, pour order 48): 10,71 28,71 28,21.65 10,21.65
F_CELL16 on Bottom Copper "Bottom Copper-F_CELL1" (solid, remove dead copper, pour order 22): 390.7,28.5 349.7,28.5 349.7,44.5 390.7,44.5
no net on Bottom Copper "Bottom Copper-NetQ_Power_C" (solid, remove dead copper, pour order 46): 27.8,70.9 20.975,70.9 20.975,63 27.85,63
F_CELL14 on Bottom Copper "Bottom Copper-F_CELL1" (solid, remove dead copper, pour order 21): 344.7,28.5 303.7,28.5 303.7,44.5 344.7,44.5
F_CELL12 on Bottom Copper "Bottom Copper-F_CELL1" (solid, remove dead copper, pour order 20): 298.7,28.5 257.7,28.5 257.7,44.5 298.7,44.5
F_CELL10 on Bottom Copper "Bottom Copper-F_CELL1" (solid, remove dead copper, pour order 19): 252.7,28.5 211.7,28.5 211.7,44.5 252.7,44.5
F_CELL8 on Bottom Copper "Bottom Copper-F_CELL1" (solid, remove dead copper, pour order 18): 206.7,28.5 165.7,28.5 165.7,44.5 206.7,44.5
F_CELL6 on Bottom Copper "Bottom Copper-F_CELL1" (solid, remove dead copper, pour order 16): 160.7,28.5 119.7,28.5 119.7,44.5 160.7,44.5
F_CELL4 on Bottom Copper "Bottom Copper-F_CELL1" (solid, remove dead copper, pour order 15): 114.7,28.5 73.7,28.5 73.7,44.5 114.7,44.5
F_CELL15 on Bottom Copper "Bottom Copper-F_CELL1" (solid, remove dead copper, pour order 14): 353,61 394,61 394,45 353,45
F_CELL13 on Bottom Copper "Bottom Copper-F_CELL1" (solid, remove dead copper, pour order 13): 307,61 348,61 348,45 307,45
F_CELL11 on Bottom Copper "Bottom Copper-F_CELL1" (solid, remove dead copper, pour order 12): 261,61 302,61 302,45 261,45
F_CELL9 on Bottom Copper "Bottom Copper-F_CELL1" (solid, remove dead copper, pour order 11): 215,61 256,61 256,45 215,45
F_CELL7 on Bottom Copper "Bottom Copper-F_CELL1" (solid, remove dead copper, pour order 10): 169,61 210,61 210,45 169,45
F_CELL5 on Bottom Copper "Bottom Copper-F_CELL1" (solid, remove dead copper, pour order 9): 123,61 164,61 164,45 123,45
F_CELL3 on Bottom Copper "Bottom Copper-F_CELL1" (solid, remove dead copper, pour order 8): 77,61 118,61 118,45 77,45
F_CELL2 on Bottom Copper "Bottom Copper-F_CELL1" (solid, remove dead copper, pour order 7): 68.7,28.5 27.7,28.5 27.7,44.5 68.7,44.5
F_CELL1 on Bottom Copper "Bottom Copper-F_CELL1" (solid, remove dead copper, pour order 6): 31,61 72,61 72,45 31,45
NetCAP_TOP_POS on Top Copper "Top Copper-NetR_Power_1_1" (solid, pour order 42): 373.15,30.875 373.15,40.675 362.85,40.675 362.85,30.925
NEG1 on Top Copper "Top Copper-NEG1" (solid, pour order 52): 10,51.75 28,51.75 28,37.75 10,37.75
NetQ_V_Mosfet_CELL16_2 on Top Copper "Top Copper-NetQ_V_Mosfet_CELL1_2" (solid, pour order 38): 393.45,28.5 373.3,28.5 373.3,48.5 393.45,48.5
NetQ_V_Mosfet_CELL14_2 on Top Copper "Top Copper-NetQ_V_Mosfet_CELL1_2" (solid, pour order 37): 347.45,28.5 327.3,28.5 327.3,48.5 347.45,48.5
NetQ_V_Mosfet_CELL12_2 on Top Copper "Top Copper-NetQ_V_Mosfet_CELL1_2" (solid, pour order 36): 301.45,28.5 281.3,28.5 281.3,48.5 301.45,48.5
NetQ_V_Mosfet_CELL10_2 on Top Copper "Top Copper-NetQ_V_Mosfet_CELL1_2" (solid, pour order 35): 255.45,28.5 235.3,28.5 235.3,48.5 255.45,48.5
NetQ_V_Mosfet_CELL8_2 on Top Copper "Top Copper-NetQ_V_Mosfet_CELL1_2" (solid, pour order 34): 209.45,28.5 189.3,28.5 189.3,48.5 209.45,48.5
NetQ_V_Mosfet_CELL6_2 on Top Copper "Top Copper-NetQ_V_Mosfet_CELL1_2" (solid, pour order 33): 163.45,28.5 143.3,28.5 143.3,48.5 163.45,48.5
NetQ_V_Mosfet_CELL4_2 on Top Copper "Top Copper-NetQ_V_Mosfet_CELL1_2" (solid, pour order 32): 117.45,28.5 97.3,28.5 97.3,48.5 117.45,48.5
NetQ_V_Mosfet_CELL15_2 on Top Copper "Top Copper-NetQ_V_Mosfet_CELL1_2" (solid, pour order 31): 350.25,61 370.4,61 370.4,41 350.25,41
NetQ_V_Mosfet_CELL13_2 on Top Copper "Top Copper-NetQ_V_Mosfet_CELL1_2" (solid, pour order 30): 304.25,61 324.4,61 324.4,41 304.25,41
NetQ_V_Mosfet_CELL11_2 on Top Copper "Top Copper-NetQ_V_Mosfet_CELL1_2" (solid, pour order 29): 258.25,61 278.4,61 278.4,41 258.25,41
NetQ_V_Mosfet_CELL9_2 on Top Copper "Top Copper-NetQ_V_Mosfet_CELL1_2" (solid, pour order 28): 212.25,61 232.4,61 232.4,41 212.25,41
NetQ_V_Mosfet_CELL7_2 on Top Copper "Top Copper-NetQ_V_Mosfet_CELL1_2" (solid, pour order 27): 166.25,61 186.4,61 186.4,41 166.25,41
NetQ_V_Mosfet_CELL5_2 on Top Copper "Top Copper-NetQ_V_Mosfet_CELL1_2" (solid, pour order 26): 120.25,61 140.4,61 140.4,41 120.25,41
NetQ_V_Mosfet_CELL3_2 on Top Copper "Top Copper-NetQ_V_Mosfet_CELL1_2" (solid, pour order 25): 74.25,61 94.4,61 94.4,41 74.25,41
NetQ_V_Mosfet_CELL2_2 on Top Copper "Top Copper-NetQ_V_Mosfet_CELL1_2" (solid, pour order 24): 71.45,28.5 51.3,28.5 51.3,48.5 71.45,48.5
NetQ_V_Mosfet_CELL1_2 on Top Copper "Top Copper-NetQ_V_Mosfet_CELL1_2" (solid, pour order 23): 28.25,61 48.4,61 48.4,41 28.25,41
NEG1 on Signal Layer 1 "Signal Layer 1-NEG1" (solid, remove dead copper, pour order 50): 10,10 10,79.5 394.85,79.5 394.85,10

## Keep-outs
Keep-Out Layer:
  the board outline again, w0.15

## Silkscreen, mask and mechanical layers (free items; w line width, h text height)
Top Overlay:
  lines w0.15: 10,21.675 26,21.675 26,13.175 ; 10,67.825 26,67.825 26,76.325 ; 10.2,44.75 28.175,44.75 ; 28.175,44.75 28.175,44.75
  text "2" at 53.71,60 h4 r270
  text "4" at 99.709,60 h4 r270
  text "6" at 145.708,60 h4 r270
  text "8" at 191.708,60 h4 r270
  text "10" at 237.707,60 h4 r270
  text "12" at 283.707,60 h4 r270
  text "14" at 329.706,60 h4 r270
  text "16" at 375.705,60 h4 r270
  text "1" at 30.646,34 h4 r270
  text "3" at 76.646,34 h4 r270
  text "5" at 122.645,34 h4 r270
  text "7" at 168.645,34 h4 r270
  text "9" at 214.644,34 h4 r270
  text "11" at 260.643,34 h4 r270
  text "13" at 306.643,34 h4 r270
  text "15" at 352.642,34 h4 r270
Bottom Overlay:
  lines w0.15: 68.075,28.5 68.7,28.5 68.7,28.975
Mechanical 1:
  the board outline again, w0.15

## Text inside footprints (layer, text, board x,y; h text height)
T_LDO: Bottom Overlay "*" at 26.9,37.9 h0.81 r90
V_LDO: Bottom Overlay "*" at 23.1,51.6 h0.81 r270